# Altium PCB iTOP4412_main_Clasics_v3_2.PcbDoc (part 4 of 7) (continued)
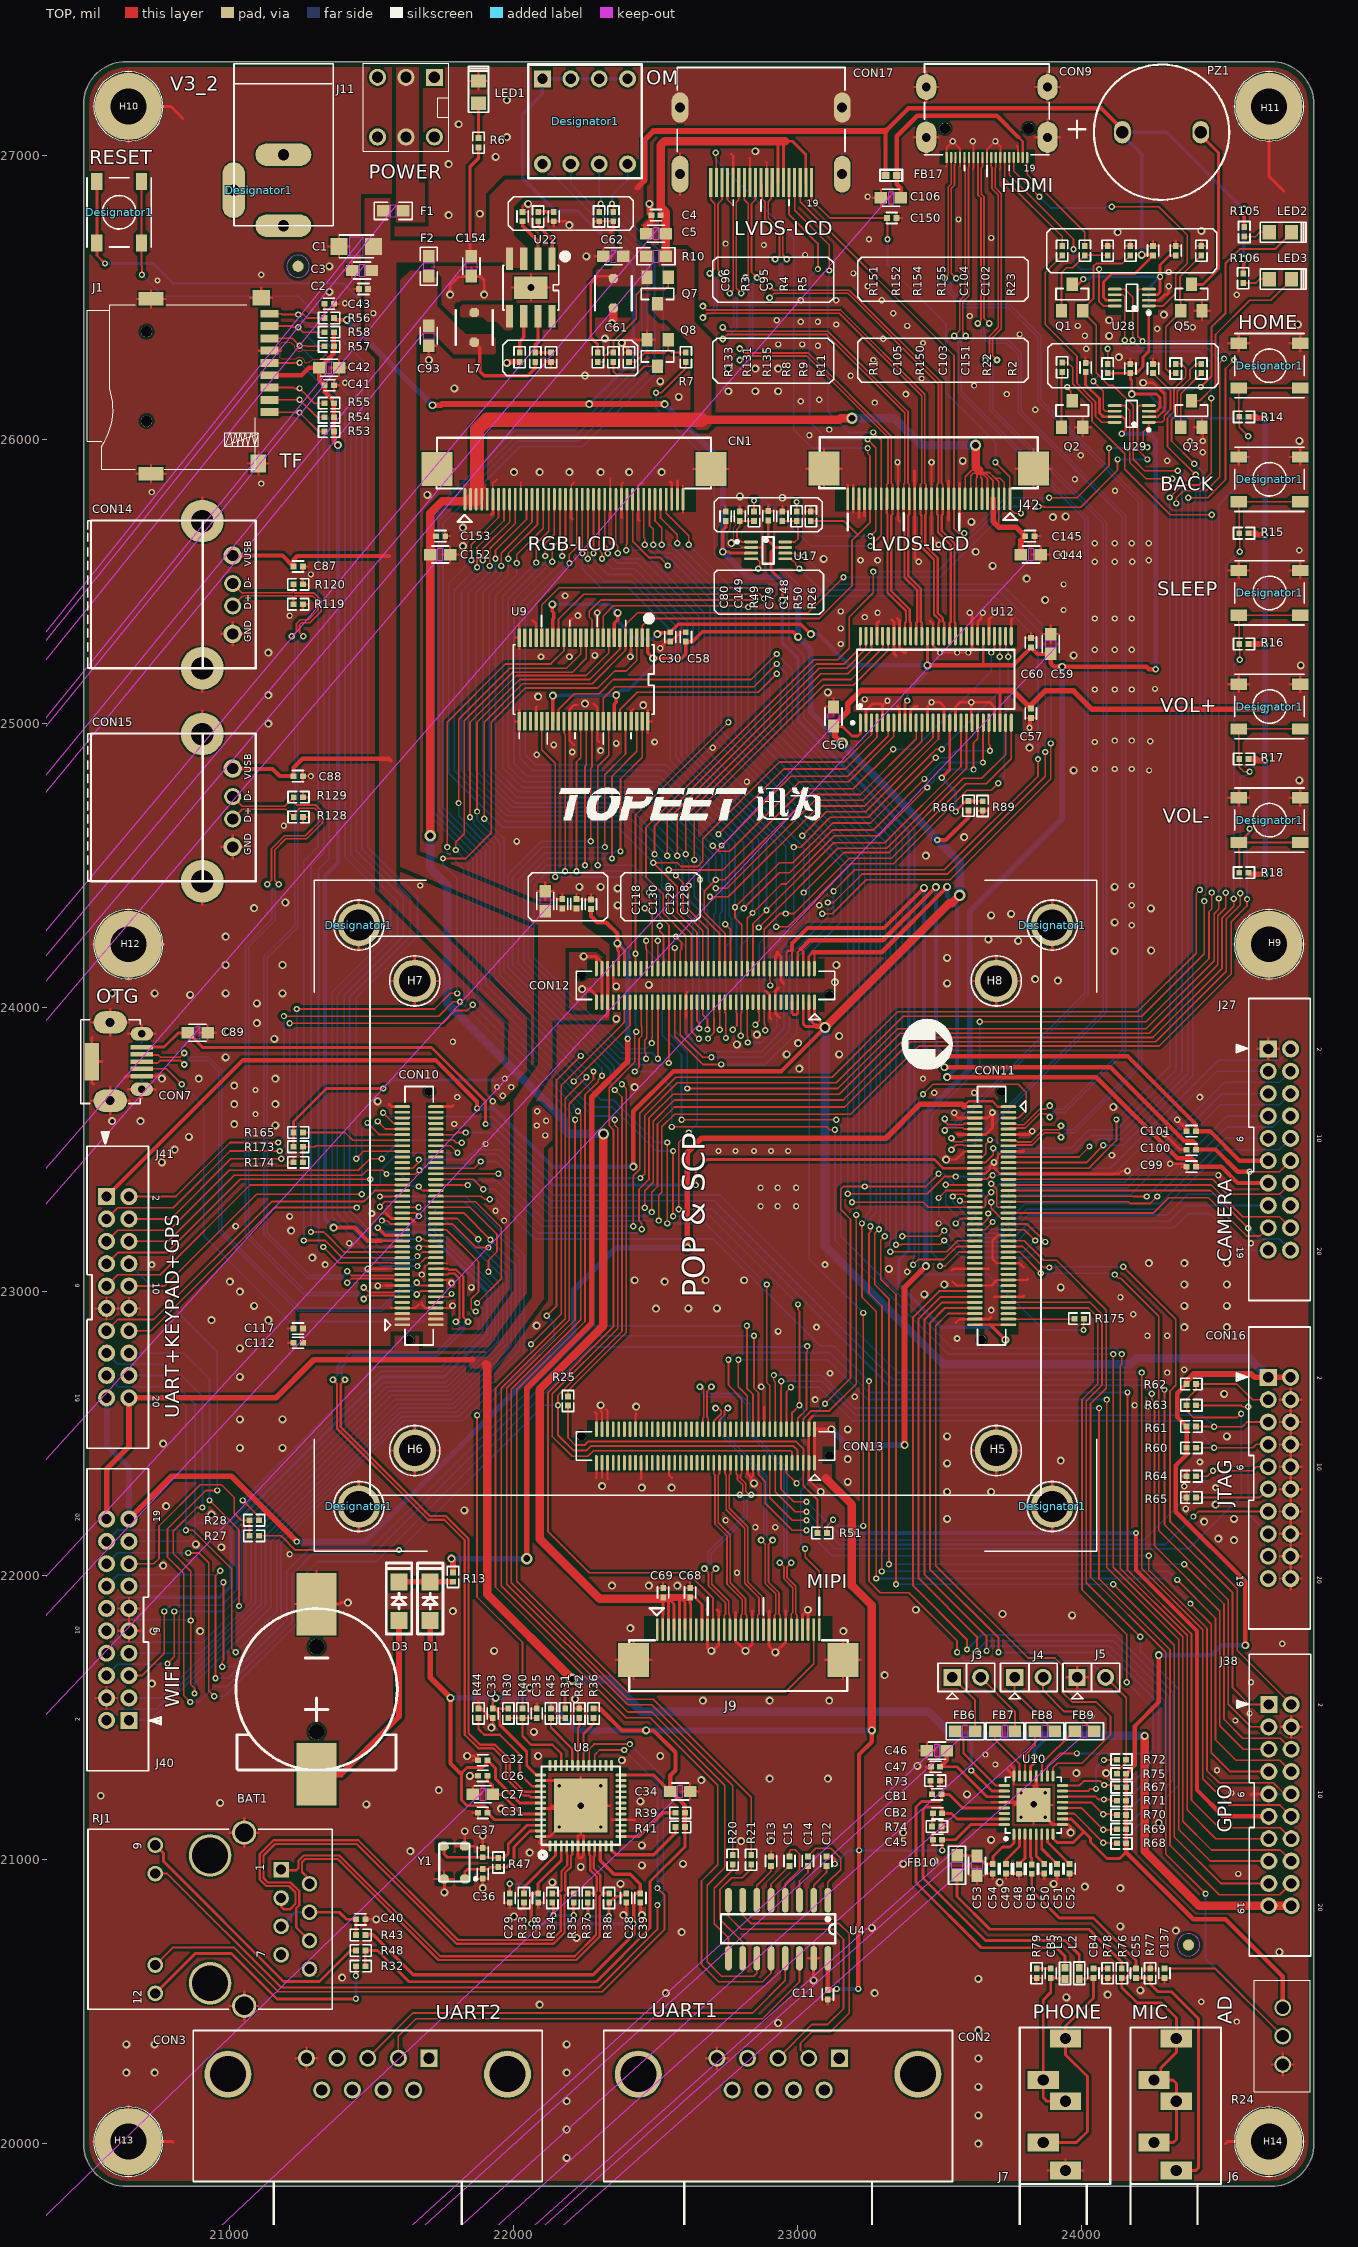
[diagram p0: TOP view]
## Nets (pads, with @x,y where several pads share a name; then routed paths per layer and width w, separated by ;. In a path a pad name is that pad's centre, name@x,y a point inside that pad or via, vN(x,y) a via of type N, cw(c..) or ccw(c..) an arc to the next point about the centre after c; other vN are vias at no path point) (continued)
GPX0_0: CN1.36 CON13.6 | length 3682.4
  TOP w6: CN1.36@22519.01,25790.33 22519.01,25724.41 22577.85,25665.57 v1(22577.85,25635.57) ; CON13.6@23021.32,22515.93 23021.32,22552.43 23027.99,22559.1 23049.47,22580.57 23112.85,22580.57 23207.85,22675.57 v1(23207.85,23270.57)
  BOTTOM w6: v1(22577.85,25635.57) 22782.85,25430.57 22782.85,24960.57 23217.85,24525.57 23217.85,23299.57 23207.85,23289.57 v1(23207.85,23270.57)
GYRO_INT: CON10.55 R16.2 | length 4991.7
  TOP w6: CON10.55@21609.9,23415.54 21612.01,23413.43 21655.71,23413.43 v1(21669.85,23427.57) ; v1(22462.85,23295.57) 22462.85,23355.31 22492.85,23385.31 22492.85,23600.57 22567.85,23675.57 23162.85,23675.57 23382.85,23895.57 24252.85,23895.57 24495.85,24138.57 24495.85,24316.57 24536.85,24357.57 v1(24536.85,24383.57) ; v1(24557.85,25225.57) 24557.85,25260.07 24556.35,25261.57 R16.2@24556.35,25280.57 24556.35,25351.38 24554.59,25353.15 24554.59,25381.83 24771.12,25381.83
  BOTTOM w6: v1(21669.85,23427.57) 21683.29,23441.01 21840,23441.01 21883.57,23484.57 21943.85,23484.57 22132.85,23295.57 v1(22462.85,23295.57) ; v1(24536.85,24383.57) 24536.85,25204.57 v1(24557.85,25225.57)
HDMI_HPD: CON11.21 Q1.2 R155.1 | length 4033.6
  TOP w6: CON11.21@23743.76,23454.91 24017.19,23454.91 v1(24077.85,23515.57) ; R155.1@24172.85,26649.07 24172.85,26648.57 24144.85,26620.57 24052.85,26620.57 24042.85,26610.57 24042.85,26495.76 24005.35,26458.26 Q1.2@24005.35,26454.32 24005.35,26450.38 24052.85,26402.88 24052.85,26235.57 24097.85,26190.57 24112.85,26190.57 24182.85,26120.57 24182.85,25930.57 24222.85,25890.57 v1(24339.85,25890.57)
  BOTTOM w6: v1(24077.85,23515.57) 24147.85,23515.57 24392.85,23760.57 24392.85,25775.57 24402.85,25785.57 24402.85,25827.57 v1(24339.85,25890.57)
HDMI_IIC_EN: CON11.23 U28.6 | length 3872.3
  TOP w6: CON11.23@23743.76,23435.21 24026.5,23435.21 24123.85,23532.57 v1(24123.85,23606.57) ; U28.6@24118.01,26510.41 24146.85,26510.41 24152.85,26504.41 v1(24152.85,26350.57) ; v1(24311.85,25796.57) 24355.85,25840.57 24415.85,25840.57 24457.85,25882.57 v1(24457.85,26145.57)
  BOTTOM w6: v1(24123.85,23606.57) 24311.85,23794.57 v1(24311.85,25796.57) ; v1(24152.85,26350.57) 24152.85,26331.57 24173.85,26310.57 24417.85,26310.57 24457.85,26270.57 v1(24457.85,26145.57)
HDMI_SCL: CON9.15 U28.8 | length 738.5
  TOP w6: CON9.15@23746.59,26993.78 23746.59,26931.83 23972.85,26705.57 v1(23972.85,26670.57) ; v1(24062.85,26600.57) 24062.85,26485.57 24077.38,26471.04 U28.8@24118.01,26471.04
  BOTTOM w6: v1(23972.85,26670.57) 23972.85,26625.57 23997.85,26600.57 v1(24062.85,26600.57)
HDMI_SDA: CON9.16 U28.1 | length 1090.5
  TOP w6: CON9.16@23762.34,26993.78 23762.34,26946.08 v1(23852.85,26855.57) ; v1(24107.85,26820.57) 24272.85,26820.57 24372.85,26720.57 24372.85,26620.57 24332.85,26580.57 24332.85,26515.57 24288.32,26471.04 U28.1@24238.09,26471.04
  BOTTOM w6: v1(23852.85,26855.57) 23892.85,26815.57 24083.85,26815.57 24088.85,26820.57 v1(24107.85,26820.57)
HOOK_DET: CON10.50 J41.6 | length 1215.3
  TOP w6: J41.6@20647.22,23177.74 20785.02,23177.74 21017.85,23410.57 21467.85,23410.57 21485.29,23428.01 21540.42,23428.01 v1(21553.85,23414.57) ; v1(21667.85,23370.57) 21667.85,23368.57 21679.95,23356.47 CON10.50@21728.01,23356.47
  BOTTOM w6: v1(21553.85,23414.57) 21602.85,23414.57 21646.85,23370.57 v1(21667.85,23370.57)
HUB_CONNECT: CON11.77 R175.2 | length 233.4
  TOP w6: CON11.77@23743.76,22903.72 23955.01,22903.72 23956.85,22905.57 R175.2@23976.35,22905.57
HUB_INT_N: CON11.75
HUB_RESET: CON11.58
I2C_SCL0: CON11.20 U28.5 | length 4074.3
  TOP w6: CON11.20@23625.65,23474.58 23652.15,23474.58 23664.15,23486.58 23664.15,23519.86 v1(23678.85,23534.57) ; U28.5@24118.01,26530.1 24153.32,26530.1 24180.85,26502.57 v1(24180.85,26350.57) ; v1(24334.85,25775.57) 24334.85,25794.57 24360.85,25820.57 24439.85,25820.57 24487.85,25868.57 24487.85,26270.57 v1(24502.85,26285.57)
  BOTTOM w6: v1(23678.85,23534.57) 23697.85,23534.57 23726.85,23505.57 23962.85,23505.57 24027.85,23570.57 24122.85,23570.57 24334.85,23782.57 v1(24334.85,25775.57) ; v1(24180.85,26350.57) 24205.85,26325.57 24439.85,26325.57 24479.85,26285.57 v1(24502.85,26285.57)
I2C_SCL1: CON10.75
I2C_SCL5: CON10.74
I2C_SCL6: CON11.43 U9.40 | length 3695.7
  TOP w6: U9.40@22316.76,25007.93 22316.76,25089.47 22357.85,25130.57 22847.85,25130.57 v1(22927.85,25210.57) ; v1(23347.85,23165.57) 23366.85,23165.57 23368.42,23167.13 23504.42,23167.13 v1(23517.85,23180.57) ; CON11.43@23743.76,23238.36 23810.06,23238.36 v1(23872.85,23175.57)
  BOTTOM w6: v1(22927.85,25210.57) 22962.85,25175.57 22962.85,24995.57 23347.85,24610.57 v1(23347.85,23165.57) ; v1(23517.85,23180.57) 23577.85,23120.57 23817.85,23120.57 v1(23872.85,23175.57)
I2C_SCL7: CN1.34 CON11.38 J27.4 | length 4561.9
  TOP w6: CN1.34@22479.65,25790.33 22479.65,25698.78 22492.85,25685.57 v1(22492.85,25630.57) ; v1(23192.85,23315.57) 23442.85,23315.57 23461.32,23297.1 23569.45,23297.1 23569.77,23297.42 CON11.38@23625.65,23297.42 23657.85,23297.42 23662.85,23302.42 23662.85,23330.57 v1(23682.85,23350.57)
  BOTTOM w6: v1(22492.85,25630.57) 22522.85,25600.57 22557.85,25600.57 22732.85,25425.57 22732.85,24975.57 23197.85,24510.57 23197.85,23325.57 23192.85,23320.57 v1(23192.85,23315.57) ; v1(23682.85,23350.57) 23717.85,23385.57 24152.85,23385.57 24504.76,23737.48 24698.22,23737.48 J27.4@24737.22,23776.48
I2C_SDA0: CON11.19 U28.4 | length 3947.8
  TOP w6: CON11.19@23743.76,23474.58 23991.87,23474.58 v1(24028.85,23511.57) ; v1(24215.8,26347.29) 24199.42,26363.68 24199.42,26525.04 24204.48,26530.1 U28.4@24238.09,26530.1 ; v1(24376.85,25795.57) 24444.85,25795.57 24507.85,25858.57 24507.85,26250.57 v1(24537.85,26280.57)
  BOTTOM w6: v1(24028.85,23511.57) 24055.35,23538.07 24145.35,23538.07 24376.85,23769.57 v1(24376.85,25795.57) ; v1(24215.8,26347.29) 24471.13,26347.29 v1(24537.85,26280.57)
I2C_SDA1: CON10.76
I2C_SDA5: CON10.72
I2C_SDA6: CON11.45 U9.32 | length 3758.2
  TOP w6: U9.32@22159.28,25007.93 22159.28,25049.43 22215.42,25105.57 22302.85,25105.57 22352.85,25155.57 22837.85,25155.57 v1(22927.85,25245.57) ; v1(23369.85,23195.57) 23497.85,23195.57 v1(23517.85,23215.57) ; CON11.45@23743.76,23218.69 23799.74,23218.69 v1(23837.85,23180.57)
  BOTTOM w6: v1(22927.85,25245.57) 22982.85,25190.57 22982.85,25000.57 23369.85,24613.57 v1(23369.85,23195.57) ; v1(23517.85,23215.57) 23592.85,23140.57 23797.85,23140.57 v1(23837.85,23180.57)
I2C_SDA7: CN1.33 CON11.37 J27.2 | length 4722.9
  TOP w6: CN1.33@22459.96,25790.33 22459.96,25655.57 22462.85,25652.68 v1(22462.85,25630.57) ; v1(23177.85,23345.57) 23457.85,23345.57 23517.85,23405.57 v1(23557.85,23405.57) ; v1(23682.85,23380.57) 23702.85,23360.57 23702.85,23301.83 23707.26,23297.42 CON11.37@23743.76,23297.42
  BOTTOM w6: v1(22462.85,25630.57) 22507.85,25585.57 22547.85,25585.57 22712.85,25420.57 22712.85,24965.57 23177.85,24500.57 v1(23177.85,23345.57) ; v1(23557.85,23405.57) 23647.85,23405.57 ; v1(23682.85,23380.57) 23657.85,23405.57 23647.85,23405.57 ; J27.2@24737.22,23855.22 24697.48,23815.48 24482.76,23815.48 24101.85,23434.57 23656.85,23434.57 23647.85,23425.57 23647.85,23405.57
ISP_SCL: CON11.3
ISP_SDA: CON11.4
J_NRESET: CON16.15 R63.1 | length 662.7
  TOP w6: R63.1@24404.35,22600.57 24424.85,22600.57 24425.85,22599.57 24564.85,22599.57 24568.85,22595.57 v1(24587.85,22595.57)
  BOTTOM w6: v1(24587.85,22595.57) 24587.85,22218.35 CON16.15@24658.48,22147.72
KP_COL0: CON11.54 R1.2 | length 4404.2
  TOP w6: v1(23502.85,23090.57) 23520.08,23090.57 23569.46,23139.94 CON11.54@23625.65,23139.94 ; v1(23642.85,23950.57) 24227.85,23950.57 24449.85,24172.57 24449.85,24337.57 24459.85,24347.57 v1(24459.85,24405.57) ; R1.2@23932.85,26272.07 23951.85,26272.07 23969.85,26254.07 23969.85,26196.6 24037.85,26128.6 24037.85,26065.57 24152.85,25950.57 24152.85,25895.57 24312.85,25735.57 v1(24459.85,25735.57)
  BOTTOM w6: v1(23502.85,23090.57) 23502.85,23109.57 23472.85,23139.57 23472.85,23620.57 23642.85,23790.57 v1(23642.85,23950.57) ; v1(24459.85,24405.57) v1(24459.85,25735.57)
KP_ROW0: CON10.56 R18.2 | length 4342.2
  TOP w6: CON10.56@21728.01,23415.54 21928.82,23415.54 ; 21928.85,23415.57 v1(21947.85,23415.57) ; v1(22512.85,23250.57) 22512.85,23340.57 22522.85,23350.57 22522.85,23580.57 22567.85,23625.57 23187.85,23625.57 23427.85,23865.57 24274.83,23865.57 24527.85,24118.6 24527.85,24302.57 24583.85,24358.57 v1(24583.85,24382.57) ; R18.2@24556.35,24475.57 24556.35,24551.38 24554.59,24553.15 24554.59,24581.83 ; v1(24592.85,24630.57) 24592.85,24620.1 24554.59,24581.83 ; 24771.12,24581.83 24554.59,24581.83
  BOTTOM w6: v1(21947.85,23415.57) 22112.85,23250.57 v1(22512.85,23250.57) ; v1(24583.85,24382.57) 24583.85,24602.57 24592.85,24611.57 v1(24592.85,24630.57)
KP_ROW1: CON10.58 R17.2 | length 4535.7
  TOP w6: CON10.58@21728.01,23435.21 21862.5,23435.21 v1(21885.85,23458.57) ; v1(22487.85,23280.57) 22487.85,23350.57 22507.85,23370.57 22507.85,23590.57 22567.85,23650.57 23167.85,23650.57 23397.85,23880.57 24262.85,23880.57 24510.85,24128.57 24510.85,24312.57 24559.85,24361.57 v1(24559.85,24403.57) ; v1(24592.85,24830.57) 24572.85,24830.57 24556.35,24847.07 R17.2@24556.35,24875.57 24556.35,24894.57 24554.59,24896.34 24554.59,24981.83 24771.12,24981.83
  BOTTOM w6: v1(21885.85,23458.57) 21939.85,23458.57 22131.29,23267.13 22474.42,23267.13 v1(22487.85,23280.57) ; v1(24559.85,24403.57) 24559.85,24807.57 24569.42,24817.13 24579.42,24817.13 v1(24592.85,24830.57)
LCD_DEN: CN1.25 CON12.21 U12.30 | length 3798.2
  TOP w6: CN1.25@22302.48,25790.33 22302.48,25610.94 22312.85,25600.57 v1(22312.85,25580.57) ; v1(22852.85,23940.57) 22866.29,23954.01 22866.29,23980.91 22863.84,23983.36 CON12.21@22863.84,24019.86 ; v1(22925.85,24285.57) 22967.85,24285.57 23188.85,24506.57 23338.85,24506.57 23597.85,24765.57 23682.85,24765.57 v1(23707.85,24790.57) ; U12.30@23733.92,25308.44 23733.92,25263.51 23742.85,25254.57 v1(23742.85,25235.57)
  BOTTOM w6: v1(22312.85,25580.57) 22347.85,25545.57 22427.85,25545.57 22612.85,25360.57 22612.85,24890.57 22925.85,24577.57 v1(22925.85,24285.57) 22866.29,24226.01 22866.29,23954.01 v1(22852.85,23940.57) ; v1(23707.85,24790.57) 23729.42,24812.13 23729.42,25037.13 23742.85,25050.57 v1(23742.85,25235.57)
LCD_HSYNC: CN1.30 CON12.18 U12.27 | length 3137.2
  TOP w6: v1(22397.85,25610.57) 22397.85,25629.57 22400.9,25632.62 CN1.30@22400.9,25790.33 ; CON12.18@22903.21,24137.98 22903.21,24099.21 22904.85,24097.57 v1(22904.85,24078.57) ; v1(23022.85,24405.57) 23163.85,24546.57 23323.85,24546.57 23584.85,24807.57 23649.85,24807.57 23733.92,24891.63 U12.27@23733.92,25003.33
  BOTTOM w6: v1(22397.85,25610.57) 22452.85,25610.57 22672.85,25390.57 22672.85,24915.57 23022.85,24565.57 v1(23022.85,24405.57) 23022.85,24315.57 22904.85,24197.57 v1(22904.85,24078.57)
LCD_PWDN: CON12.46 U12.32 | length 1936.8
  TOP w6: v1(22546.21,24428.93) 22546.21,24342.21 22627.62,24260.8 CON12.46@22627.62,24137.98 ; v1(22547.85,24485.57) 22620.88,24485.57 22621.32,24485.13 22737.42,24485.13 23022.85,24770.57 23197.85,24770.57 v1(23337.85,24910.57) ; v1(23682.85,25250.57) 23694.55,25262.26 U12.32@23694.55,25308.44
  BOTTOM w6: v1(22546.21,24428.93) 22546.21,24464.93 22547.85,24466.57 v1(22547.85,24485.57) ; v1(23337.85,24910.57) 23410.85,24910.57 23682.85,25182.57 v1(23682.85,25250.57)
LCD_SCL: CON17.15 J42.25 R50.2 | length 1857.6
  TOP w6: R50.2@22997.85,25747.07 v1(22997.85,25780.57) ; v1(23247.85,26000.57) 23276.27,25972.15 J42.25@23276.27,25791.89 23276.27,25678.99 v1(23257.85,25660.57)
  TOP w7: CON17.15@22971.28,26904.84 22971.28,26792.15 23072.85,26690.57 v1(23072.85,26600.57)
  BOTTOM w6: v1(22997.85,25780.57) 22997.85,25730.57 23067.85,25660.57 v1(23257.85,25660.57)
  BOTTOM w7: v1(23072.85,26600.57) 23042.85,26570.57 23042.85,26065.57 23107.85,26000.57 v1(23247.85,26000.57)
LCD_SDA: CON17.16 J42.24 R49.2 | length 1990.1
  TOP w6: R49.2@22847.85,25747.07 v1(22847.85,25785.57) ; CON17.16@22990.96,26904.84 22990.96,26807.46 23112.85,26685.57 v1(23112.85,26595.57) ; v1(23257.85,25625.57) 23295.96,25663.67 J42.24@23295.96,25791.89 23295.96,25997.47 v1(23267.85,26025.57)
  BOTTOM w6: v1(22847.85,25785.57) 22887.85,25785.57 23047.85,25625.57 v1(23257.85,25625.57) ; v1(23112.85,26595.57) 23112.85,26576.07 23107.85,26571.07 23107.85,26100.57 23182.85,26025.57 v1(23267.85,26025.57)
LCD_TP1_INT: C151.1 CON17.17 J42.11 U29.1 | length 2650.7
  TOP w6: CON17.17@23010.65,26904.84 23010.65,26837.78 23551.86,26296.56 J42.11@23551.86,25791.89 23551.86,25686.56 23567.85,25670.57 v1(23587.85,25670.57) ; v1(23886.85,25795.57) 23984.85,25795.57 24097.85,25908.57 v1(24097.85,25970.57) ; v1(24232.85,25973.57) 24217.85,25988.57 24217.85,26027.08 24237.89,26047.11 U29.1@24237.89,26061.03 24283.32,26061.03 24291.85,26069.57 24291.85,26084.57 24314.35,26107.07 24314.35,26172.07 24252.85,26233.57 C151.1@24252.85,26234.07
  BOTTOM w6: v1(23587.85,25670.57) 23606.85,25670.57 23731.85,25795.57 v1(23886.85,25795.57) ; v1(24097.85,25970.57) 24210.85,25970.57 24213.85,25973.57 v1(24232.85,25973.57)
LCD_VD0: CON12.23
LCD_VD1: CON12.22
LCD_VD2: CON12.25 U12.15 | length 1677.7
  TOP w6: CON12.25@22824.47,24019.86 22824.47,23897.95 22825.85,23896.57 v1(22825.85,23877.57) ; v1(23017.85,24605.57) 23102.85,24690.57 23241.85,24690.57 23497.7,24946.41 U12.15@23497.7,25003.33
  BOTTOM w6: v1(22825.85,23877.57) 22874.85,23877.57 22927.85,23930.57 22927.85,24193.54 23042.85,24308.54 23042.85,24580.57 v1(23017.85,24605.57)
LCD_VD3: CN1.24 CON12.24 U12.19 | length 3022.4
  TOP w6: CN1.24@22282.79,25790.33 22282.79,25619.63 22282.85,25619.57 v1(22282.85,25600.57) ; CON12.24@22844.15,24137.98 22844.15,24295.87 v1(22891.85,24343.57) 23128.85,24580.57 23307.85,24580.57 23576.44,24849.15 U12.19@23576.44,25003.33
  BOTTOM w6: v1(22282.85,25600.57) 22282.85,25575.57 22332.85,25525.57 22417.85,25525.57 22592.85,25350.57 22592.85,24885.57 22891.85,24586.57 v1(22891.85,24343.57)
LCD_VD4: CN1.23 CON12.27 U12.20 | length 3464.2
  TOP w6: v1(22262.85,25580.57) 22262.85,25619.06 22263.11,25619.31 CN1.23@22263.11,25790.33 ; v1(22800.85,23901.57) 22800.85,23979.43 22804.78,23983.36 CON12.27@22804.78,24019.86 ; v1(22864.15,24282.57) 23143.15,24561.57 23314.85,24561.57 23596.12,24842.84 U12.20@23596.12,25003.33
  BOTTOM w6: v1(22262.85,25580.57) 22262.85,25560.57 22322.85,25500.57 22417.85,25500.57 22572.85,25345.57 22572.85,24881.87 22864.15,24590.57 v1(22864.15,24282.57) 22801.85,24220.28 22801.85,23921.57 22800.85,23920.57 v1(22800.85,23901.57)
LCD_VD5: CN1.22 CON12.26 U12.22 | length 3134.1
  TOP w6: v1(22242.85,25600.57) 22242.85,25619.57 22243.42,25620.14 CN1.22@22243.42,25790.33 ; CON12.26@22824.47,24137.98 22824.47,24315.13 v1(22842.88,24333.54) 22944.91,24435.57 22960.85,24435.57 23130.85,24605.57 23287.85,24605.57 v1(23457.85,24775.57) ; v1(23620.85,24838.57) 23620.85,24932.57 23635.49,24947.21 U12.22@23635.49,25003.33
  BOTTOM w6: v1(22242.85,25600.57) 22242.85,25545.57 22307.85,25480.57 22402.85,25480.57 22552.85,25330.57 22552.85,24870.57 22842.88,24580.54 v1(22842.88,24333.54) ; v1(23457.85,24775.57) 23482.85,24800.57 23482.85,24820.57 23500.85,24838.57 v1(23620.85,24838.57)
LCD_VD6: CN1.21 CON12.29 U12.23 | length 3846.2
  TOP w6: v1(22197.85,25565.57) 22197.85,25595.57 22223.74,25621.46 CN1.21@22223.74,25790.33 ; v1(22772.85,23922.57) 22787.85,23937.57 22787.85,23980.61 22785.1,23983.36 CON12.29@22785.1,24019.86 ; v1(22812,24350.71) 22936.85,24475.57 22972.85,24475.57 23122.85,24625.57 23267.85,24625.57 v1(23447.85,24805.57) ; v1(23653.85,24863.57) 23653.85,24960.52 23655.18,24961.85 U12.23@23655.18,25003.33
  BOTTOM w6: v1(22197.85,25565.57) 22042.85,25410.57 22042.85,24890.57 22077.85,24855.57 22537.85,24855.57 22812,24581.43 v1(22812,24350.71) 22786.29,24325.01 22786.29,23936.01 v1(22772.85,23922.57) ; v1(23447.85,24805.57) 23505.85,24863.57 v1(23653.85,24863.57)
LCD_VD7: CN1.19 CON12.28 U12.24 | length 3539.2
  TOP w6: v1(22172.85,25590.57) 22172.85,25615.57 22184.37,25627.09 CN1.19@22184.37,25790.33 ; CON12.28@22804.78,24137.98 22804.78,24292.65 22780.85,24316.57 v1(22780.85,24353.57) 22937.85,24510.57 22984.85,24510.57 23124.85,24650.57 23257.85,24650.57 v1(23487.85,24880.57) ; U12.24@23674.86,25003.33 23674.86,24927.56 23678.85,24923.57 v1(23678.85,24904.57)
  BOTTOM w6: v1(22172.85,25590.57) 22172.85,25570.57 22022.85,25420.57 22022.85,24880.57 22067.85,24835.57 22527.85,24835.57 22780.85,24582.57 v1(22780.85,24353.57) ; v1(23487.85,24880.57) 23532.85,24880.57 23556.85,24904.57 v1(23678.85,24904.57)
LCD_VD8: CON12.31
LCD_VD9: CON12.30
LCD_VD10: CN1.18 CON12.33 U12.4 | length 3442.8
  TOP w6: v1(22137.85,25570.57) 22137.85,25619.57 22164.68,25646.4 CN1.18@22164.68,25790.33 ; v1(22722.85,24610.57) 22952.85,24840.57 23168.85,24840.57 23281.16,24952.88 U12.4@23281.16,25003.33 ; CON12.33@22745.73,24019.86 22745.73,23983.36 22748.85,23980.24 v1(22748.85,23893.57)
  BOTTOM w6: v1(22137.85,25570.57) 22002.85,25435.57 22002.85,24860.57 22047.85,24815.57 22517.85,24815.57 v1(22722.85,24610.57) 22760.85,24572.57 22760.85,24322.86 22768.85,24314.86 22768.85,24235.57 22748.85,24215.57 v1(22748.85,23893.57)
LCD_VD11: CN1.17 CON12.32 U12.6 | length 3112.4
  TOP w6: v1(22112.85,25590.57) 22112.85,25634.57 22145,25666.72 CN1.17@22145,25790.33 ; v1(22733.71,24571.43) 22977.85,24815.57 23177.85,24815.57 23320.53,24958.25 U12.6@23320.53,25003.33 ; v1(22746.85,24293.57) 22765.41,24275.02 CON12.32@22765.41,24137.98
  BOTTOM w6: v1(22112.85,25590.57) 22112.85,25570.57 21982.85,25440.57 21982.85,24850.57 22037.85,24795.57 22509.57,24795.57 v1(22733.71,24571.43) 22747.15,24557.99 22747.15,24551.86 22746.85,24551.57 v1(22746.85,24293.57)
LCD_VD12: CN1.16 CON12.35 U12.7 | length 3489.7
  TOP w6: v1(22081.21,25567.21) 22081.21,25633.93 22125.31,25678.03 CN1.16@22125.31,25790.33 ; v1(22702.85,24570.57) 22722.85,24550.57 22762.85,24550.57 23007.85,24795.57 23180.85,24795.57 23340.22,24954.93 U12.7@23340.22,25003.33 ; CON12.35@22726.04,24019.86 22726.04,23983.36 22726.85,23982.54 v1(22726.85,23922.57)
  BOTTOM w6: v1(22081.21,25567.21) 21962.85,25448.86 21962.85,24845.57 22032.85,24775.57 22497.85,24775.57 v1(22702.85,24570.57) 22734.85,24538.57 22734.85,24337.57 22726.85,24329.57 v1(22726.85,23922.57)
LCD_VD13: CN1.15 CON12.34 U12.11 | length 3330.3
  TOP w6: v1(22012.85,25565.57) 22012.85,25595.57 22105.63,25688.35 CN1.15@22105.63,25790.33 ; CON12.34@22745.73,24137.98 22745.73,24262.69 22672.85,24335.57 22672.85,24410.57 v1(22712.85,24450.57) 22744.85,24450.57 23044.85,24750.57 23222.85,24750.57 23418.96,24946.67 U12.11@23418.96,25003.33
  BOTTOM w6: v1(22012.85,25565.57) 22012.85,25525.57 21937.85,25450.57 21937.85,24840.57 22017.85,24760.57 22482.85,24760.57 22712.85,24530.57 v1(22712.85,24450.57)
LCD_VD14: CN1.14 CON12.37 U12.12 | length 3723
  TOP w6: v1(21982.85,25580.57) 21982.85,25599.57 22085.94,25702.66 CN1.14@22085.94,25790.33 ; v1(22685.85,23891.57) 22706.85,23912.57 22706.85,23963.86 22706.36,23964.35 CON12.37@22706.36,24019.86 ; v1(22712.85,24420.57) 22752.85,24420.57 23062.85,24730.57 23231.85,24730.57 23438.64,24937.36 U12.12@23438.64,25003.33
  BOTTOM w6: v1(21982.85,25580.57) 21982.85,25525.57 21915.87,25458.59 21915.87,24837.55 22012.85,24740.57 22472.85,24740.57 22687.85,24525.57 22687.85,24445.57 v1(22712.85,24420.57) 22712.85,24335.57 22706.29,24329.01 22706.29,23912.01 v1(22685.85,23891.57)
LCD_VD15: CN1.13 CON12.36 U12.14 | length 3483.2
  TOP w6: v1(21957.85,25555.57) 21957.85,25600.57 22066.26,25708.97 CN1.13@22066.26,25790.33 ; v1(22657.85,24450.57) 22657.85,24330.57 22726.04,24262.39 CON12.36@22726.04,24137.98 ; v1(22692.85,24390.45) 22757.74,24390.45 23077.85,24710.57 23237.85,24710.57 23478.01,24950.73 U12.14@23478.01,25003.33
  BOTTOM w6: v1(21957.85,25555.57) 21957.85,25525.57 21892.85,25460.57 21892.85,24835.57 22007.85,24720.57 22467.85,24720.57 22657.85,24530.57 v1(22657.85,24450.57) 22657.85,24425.45 v1(22692.85,24390.45)
LCD_VD16: CON12.39
LCD_VD17: CON12.38
LCD_VD18: CON12.41 U12.51 | length 1851.5
  TOP w6: v1(22637.85,24520.57) 22637.85,24680.57 23092.85,25135.57 23197.85,25135.57 23320.53,25258.25 U12.51@23320.53,25308.44 ; CON12.41@22666.99,24019.86 22666.99,23975.43 22683.85,23958.57 v1(22683.85,23923.57)
  BOTTOM w6: v1(22637.85,24520.57) 22637.85,24390.57 22683.85,24344.57 v1(22683.85,23923.57)
LCD_VD19: CN1.12 CON12.40 U12.52 | length 3440.7
  TOP w6: v1(21937.85,25580.57) 21937.85,25610.57 22046.57,25719.29 CN1.12@22046.57,25790.33 ; v1(22607.85,24540.57) 22607.85,24675.57 23087.85,25155.57 23189.45,25155.57 23300.85,25266.96 U12.52@23300.85,25308.44 ; v1(22617.85,24430.57) 22617.85,24345.57 22686.67,24276.76 CON12.40@22686.67,24137.98
  BOTTOM w6: v1(21937.85,25580.57) 21937.85,25530.57 21867.85,25460.57 21867.85,24835.57 21997.85,24705.57 22442.85,24705.57 v1(22607.85,24540.57) 22607.85,24521.57 22617.85,24511.57 v1(22617.85,24430.57)
LCD_VD20: CN1.10 CON12.43 U12.54 | length 3730.8
  TOP w6: v1(21917.85,25555.57) 21917.85,25615.57 22007.2,25704.92 CN1.10@22007.2,25790.33 ; v1(22577.85,24535.57) 22577.85,24670.57 23082.85,25175.57 23177.85,25175.57 23261.48,25259.19 U12.54@23261.48,25308.44 ; CON12.43@22647.3,24019.86 22647.3,23954.19 22655.5,23945.98 v1(22655.5,23926.98)
  BOTTOM w6: v1(21917.85,25555.57) 21917.85,25535.57 21842.85,25460.57 21842.85,24835.57 21987.85,24690.57 22422.85,24690.57 v1(22577.85,24535.57) 22595.85,24517.57 22595.85,24402.57 22655.5,24342.92 v1(22655.5,23926.98)
LCD_VD21: CN1.9 CON12.42 U12.55 | length 3441.9
  TOP w6: v1(21892.85,25575.57) 21892.85,25615.57 21987.52,25710.24 CN1.9@21987.52,25790.33 ; v1(22542.85,24535.57) 22542.85,24660.57 23077.85,25195.57 23173.85,25195.57 23241.79,25263.51 U12.55@23241.79,25308.44 ; v1(22572.85,24465.57) 22597.85,24440.57 22597.85,24340.57 22666.99,24271.43 CON12.42@22666.99,24137.98
  BOTTOM w6: v1(21892.85,25575.57) 21892.85,25540.57 21817.85,25465.57 21817.85,24835.57 21977.85,24675.57 22402.85,24675.57 v1(22542.85,24535.57) 22572.85,24505.57 v1(22572.85,24465.57)
LCD_VD22: CN1.8 CON12.45 U12.56 | length 3834.4
  TOP w6: v1(21872.85,25550.57) 21872.85,25620.57 21967.83,25715.55 CN1.8@21967.83,25790.33 ; v1(22497.85,24540.57) 22497.85,24640.57 23067.85,25210.57 23165.71,25210.57 23222.11,25266.96 U12.56@23222.11,25308.44 ; CON12.45@22627.62,24019.86 22627.62,23916.8 v1(22653.85,23890.57)
  BOTTOM w6: v1(21872.85,25550.57) 21792.85,25470.57 21792.85,24835.57 21972.85,24655.57 22382.85,24655.57 v1(22497.85,24540.57) 22522.85,24515.57 22522.85,24424 22631.85,24315 22631.85,23912.57 v1(22653.85,23890.57)
LCD_VD23: CN1.7 CON12.44 U12.3 | length 3379.4
  TOP w6: v1(21852.85,25575.57) 21852.85,25630.57 21948.15,25725.87 CN1.7@21948.15,25790.33 ; CON12.44@22647.3,24137.98 22647.3,24266.13 22577.85,24335.57 22577.85,24425.57 v1(22492.85,24510.57) 22577.85,24510.57 22590.85,24497.57 22625.85,24497.57 22626.29,24497.13 22649.42,24497.13 22667.85,24515.57 22667.85,24595.57 22937.85,24865.57 23165.2,24865.57 23261.48,24961.85 U12.3@23261.48,25003.33
  BOTTOM w6: v1(21852.85,25575.57) 21772.85,25495.57 21772.85,24825.57 21962.85,24635.57 22367.85,24635.57 v1(22492.85,24510.57)
LCD_VOTCLK: CN1.28 CON12.19 U12.31 | length 3459.3
  TOP w6: CN1.28@22361.53,25790.33 22361.53,25631.89 22367.85,25625.57 v1(22367.85,25600.57) ; CON12.19@22883.52,24019.86 22883.52,23983.36 22883.85,23983.02 22883.85,23943.57 22887.85,23939.57 v1(22887.85,23920.57) ; v1(22987.85,24565.57) 23011.85,24565.57 23116.85,24670.57 23249.85,24670.57 23467.85,24888.57 23467.85,24888.86 23479.57,24900.57 23479.85,24900.57 23489.85,24910.57 v1(23508.85,24910.57) ; v1(23712.85,25235.57) 23712.85,25254.57 23714.23,25255.95 U12.31@23714.23,25308.44
  BOTTOM w6: v1(22367.85,25600.57) 22387.85,25580.57 22452.85,25580.57 22652.85,25380.57 22652.85,24900.57 v1(22987.85,24565.57) 22987.85,24308.57 22884.85,24205.57 22884.85,23942.57 22887.85,23939.57 v1(22887.85,23920.57) ; v1(23508.85,24910.57) 23712.85,25114.57 v1(23712.85,25235.57)
LCD_VSYNC: CN1.26 CON12.20 U12.28 | length 3147.8
  TOP w6: CN1.26@22322.17,25790.33 22322.17,25630.26 22332.85,25619.57 v1(22332.85,25600.57) ; CON12.20@22883.52,24137.98 22883.52,24276.24 22938.85,24331.57 v1(22959.85,24331.57) 22988.85,24331.57 23183.85,24526.57 23331.85,24526.57 23593.85,24788.57 23665.85,24788.57 23753.6,24876.32 U12.28@23753.6,25003.33
  BOTTOM w6: v1(22332.85,25600.57) 22367.85,25565.57 22437.85,25565.57 22632.85,25370.57 22632.85,24895.57 22959.85,24568.57 v1(22959.85,24331.57)
LINK&ACT: RJ1.11 U8.28 | length 2811.6
  TOP w6: U8.28@22287.07,21332.3 22287.07,21369.78 22303.85,21386.57 v1(22390.85,21386.57)
  TOP w7: RJ1.11@20739.87,20629.59 20800.84,20690.57 21017.85,20690.57 21172.85,20535.57 22312.85,20535.57 22532.85,20755.57 22532.85,20875.57 v1(22507.85,20900.57)
  BOTTOM w6: v1(22390.85,21386.57) 22507.85,21269.57 v1(22507.85,20900.57)
MD_RESETBB: CON11.56
MD_RSTN: CN1.35 CON12.66 J9.11 | length 4877.5
  TOP w6: CON12.66@22430.77,24137.98 v1(22430.77,24190.57) 22430.77,24678.49 v1(22757.85,25005.57) ; v1(22432.85,23915.57) 22427.85,23910.57 22427.85,23808.86 22337.85,23718.86 22337.85,23585.57 22352.85,23570.57 22352.85,22876.63 22122.85,22646.63 22122.85,22155.57 22267.85,22010.57 22613.85,22010.57 22703.85,21920.57 J9.11@22703.85,21810.57 ; CN1.35@22499.33,25790.33 22499.33,25714.1 22522.85,25690.57 v1(22522.85,25630.57)
  BOTTOM w6: v1(22430.77,24190.57) 22430.77,23936.65 22432.85,23934.57 v1(22432.85,23915.57) ; v1(22522.85,25630.57) 22552.85,25630.57 22757.85,25425.57 v1(22757.85,25005.57)
MD_USBDN: CON10.13 CON15.2 R129.2 | length 2667.9
  TOP w6: CON15.2@21012.35,24743.47 21046.1,24709.72 21195.5,24709.72 R129.2@21227.35,24741.57 21227.35,24725.07 21238.85,24713.57 21305.41,24713.57 21328.85,24690.13 21328.85,24651.01 21272.41,24594.57 21199.41,24594.57 21160.1,24555.26 21160.1,24449.32 v3(21174.85,24434.57) ; v3(21473.85,23015.07) 21491.12,22997.81 21580.09,22997.81 21584.43,23002.15 CON10.13@21609.9,23002.15
  BOTTOM w6: v3(21174.85,24434.57) 21161.85,24421.57 21161.85,24309.01 21068.85,24216.01 21068.85,23201.13 21272.41,22997.57 21456.35,22997.57 v3(21473.85,23015.07)
MD_USBDP: CON10.11 CON15.3 R128.2 | length 2660.2
  TOP w6: CON15.3@21012.35,24664.97 21046.1,24698.72 21200.2,24698.72 R128.2@21227.35,24671.57 21233.85,24678.07 21233.85,24687.57 21248.85,24702.57 21300.85,24702.57 21317.85,24685.57 21317.85,24655.57 21267.85,24605.57 21194.85,24605.57 21149.1,24559.82 21149.1,24449.32 v3(21134.35,24434.57) ; v3(21473.85,22974.57) 21486.09,22986.81 21580.11,22986.81 21584.45,22982.47 CON10.11@21609.9,22982.47
  BOTTOM w6: v3(21134.35,24434.57) 21150.85,24418.07 21150.85,24313.57 21057.85,24220.57 21057.85,23196.57 21267.85,22986.57 21461.85,22986.57 v3(21473.85,22974.57)

## Text inside footprints (layer, text, board x,y; h text height)
U10: PIN_NUMBER "12" at 23921.39,21190.87 h15.75 r180; PIN_NUMBER "14" at 23921.39,21230.24 h15.75 r180; PIN_NUMBER "11" at 23921.39,21171.18 h15.75 r180; PIN_NUMBER "16" at 23921.39,21269.61 h15.75 r180; PIN_NUMBER "24" at 23758.01,21295.2 h15.75 r90; PIN_NUMBER "9" at 23927.69,21131.81 h15.75 r180; PIN_NUMBER "33" at 23791.63,21142.83 h25 r90; PIN_NUMBER "28" at 23716.67,21210.55 h15.75 r180; PIN_NUMBER "20" at 23836.75,21295.2 h15.75 r90; PIN_NUMBER "18" at 23876.12,21295.2 h15.75 r90; PIN_NUMBER "17" at 23895.8,21295.2 h15.75 r90; PIN_NUMBER "13" at 23921.39,21210.55 h15.75 r180; PIN_NUMBER "23" at 23777.69,21295.2 h15.75 r90; PIN_NUMBER "26" at 23716.67,21249.92 h15.75 r180; PIN_NUMBER "21" at 23817.06,21295.2 h15.75 r90; PIN_NUMBER "31" at 23716.67,21151.5 h15.75 r180; PIN_NUMBER "22" at 23797.38,21295.2 h15.75 r90; PIN_NUMBER "29" at 23716.67,21190.87 h15.75 r180; PIN_NUMBER "25" at 23716.67,21269.61 h15.75 r180; PIN_NUMBER "19" at 23856.43,21295.2 h15.75 r90; PIN_NUMBER "8" at 23902.1,21090.47 h15.75 r90; PIN_NUMBER "10" at 23921.39,21151.5 h15.75 r180; PIN_NUMBER "30" at 23716.67,21171.18 h15.75 r180; PIN_NUMBER "7" at 23882.42,21090.47 h15.75 r90; PIN_NUMBER "6" at 23862.73,21090.47 h15.75 r90; PIN_NUMBER "5" at 23843.05,21090.47 h15.75 r90; PIN_NUMBER "2" at 23783.99,21090.47 h15.75 r90; PIN_NUMBER "3" at 23803.68,21090.47 h15.75 r90; PIN_NUMBER "1" at 23764.31,21090.47 h15.75 r90; PIN_NUMBER "27" at 23716.67,21230.24 h15.75 r180; PIN_NUMBER "4" at 23823.36,21090.47 h15.75 r90; PIN_NUMBER "15" at 23921.39,21249.92 h15.75 r180; PIN_NUMBER "32" at 23716.67,21131.81 h15.75 r180
U12: PIN_NUMBER "38" at 23563.84,25300.57 h15.75; PIN_NUMBER "37" at 23583.52,25300.57 h15.75; PIN_NUMBER "48" at 23366.99,25300.57 h15.75; PIN_NUMBER "17" at 23524.47,24995.45 h15.75; PIN_NUMBER "45" at 23426.04,25300.57 h15.75; PIN_NUMBER "41" at 23504.78,25300.57 h15.75; PIN_NUMBER "47" at 23386.67,25300.57 h15.75; PIN_NUMBER "40" at 23524.47,25300.57 h15.75; PIN_NUMBER "39" at 23544.15,25300.57 h15.75; PIN_NUMBER "46" at 23406.36,25300.57 h15.75; PIN_NUMBER "42" at 23485.1,25300.57 h15.75; PIN_NUMBER "24" at 23662.26,24995.45 h15.75; PIN_NUMBER "23" at 23642.58,24995.45 h15.75; PIN_NUMBER "22" at 23622.89,24995.45 h15.75; PIN_NUMBER "20" at 23583.52,24995.45 h15.75; PIN_NUMBER "19" at 23563.84,24995.45 h15.75; PIN_NUMBER "15" at 23485.1,24995.45 h15.75; PIN_NUMBER "52" at 23288.25,25300.57 h15.75; PIN_NUMBER "11" at 23406.36,24995.45 h15.75; PIN_NUMBER "14" at 23465.41,24995.45 h15.75; PIN_NUMBER "12" at 23426.04,24995.45 h15.75; PIN_NUMBER "51" at 23307.93,25300.57 h15.75; PIN_NUMBER "56" at 23209.51,25300.57 h15.75; PIN_NUMBER "4" at 23274.86,24995.45 h15.75; PIN_NUMBER "3" at 23255.18,24995.45 h15.75; PIN_NUMBER "54" at 23248.88,25300.57 h15.75; PIN_NUMBER "7" at 23333.92,24995.45 h15.75; PIN_NUMBER "6" at 23314.23,24995.45 h15.75; PIN_NUMBER "55" at 23229.19,25300.57 h15.75; PIN_NUMBER "8" at 23353.6,24995.45 h15.75; PIN_NUMBER "29" at 23741,25300.57 h15.75; PIN_NUMBER "50" at 23327.62,25300.57 h15.75; PIN_NUMBER "49" at 23347.3,25300.57 h15.75; PIN_NUMBER "53" at 23268.56,25300.57 h15.75; PIN_NUMBER "33" at 23662.26,25300.57 h15.75; PIN_NUMBER "35" at 23622.89,25300.57 h15.75; PIN_NUMBER "43" at 23465.41,25300.57 h15.75; PIN_NUMBER "36" at 23603.21,25300.57 h15.75; PIN_NUMBER "25" at 23681.95,24995.45 h15.75; PIN_NUMBER "21" at 23603.21,24995.45 h15.75; PIN_NUMBER "18" at 23544.15,24995.45 h15.75; PIN_NUMBER "13" at 23445.73,24995.45 h15.75; PIN_NUMBER "16" at 23504.78,24995.45 h15.75; PIN_NUMBER "2" at 23235.49,24995.45 h15.75; PIN_NUMBER "5" at 23294.55,24995.45 h15.75; PIN_NUMBER "10" at 23386.67,24995.45 h15.75; PIN_NUMBER "32" at 23681.95,25300.57 h15.75; PIN_NUMBER "27" at 23721.32,24995.45 h15.75; PIN_NUMBER "28" at 23741,24995.45 h15.75; PIN_NUMBER "30" at 23721.32,25300.57 h15.75; PIN_NUMBER "31" at 23701.63,25300.57 h15.75; PIN_NUMBER "26" at 23701.63,24995.45 h15.75; PIN_NUMBER "1" at 23215.81,24995.45 h15.75; PIN_NUMBER "44" at 23445.73,25300.57 h15.75; PIN_NUMBER "9" at 23373.29,24995.45 h15.75; PIN_NUMBER "34" at 23642.58,25300.57 h15.75
U17: PIN_NUMBER "6" at 22943.72,25600.73 h15.75 r270; PIN_NUMBER "4" at 22823.65,25581.04 h15.75 r270; PIN_NUMBER "2" at 22823.65,25620.41 h15.75 r270; PIN_NUMBER "7" at 22943.72,25620.41 h15.75 r270; PIN_NUMBER "5" at 22943.72,25581.04 h15.75 r270; PIN_NUMBER "3" at 22823.65,25600.73 h15.75 r270; PIN_NUMBER "8" at 22943.72,25640.1 h15.75 r270; PIN_NUMBER "1" at 22823.65,25640.1 h15.75 r270
U22: PIN_NUMBER "8" at 22127.35,26434.51 h25 r180; PIN_NUMBER "9" at 22052.27,26535.57 h25.2 r180; PIN_NUMBER "3" at 22027.35,26636.63 h25 r180; PIN_NUMBER "4" at 21977.35,26636.63 h25 r180; PIN_NUMBER "6" at 22027.35,26434.51 h25 r180; PIN_NUMBER "2" at 22077.35,26636.63 h25 r180; PIN_NUMBER "5" at 21977.35,26434.51 h25 r180; PIN_NUMBER "1" at 22127.35,26636.63 h25 r180; PIN_NUMBER "7" at 22077.35,26434.51 h25 r180
U28: PIN_NUMBER "4" at 24239.66,26530.1 h15.75 r90; PIN_NUMBER "5" at 24119.58,26530.1 h15.75 r90; PIN_NUMBER "2" at 24239.66,26490.73 h15.75 r90; PIN_NUMBER "6" at 24119.58,26510.42 h15.75 r90; PIN_NUMBER "1" at 24239.66,26471.05 h15.75 r90; PIN_NUMBER "8" at 24119.58,26471.05 h15.75 r90; PIN_NUMBER "7" at 24119.58,26490.73 h15.75 r90; PIN_NUMBER "3" at 24239.66,26510.42 h15.75 r90
U29: PIN_NUMBER "1" at 24239.47,26061.05 h15.75 r90; PIN_NUMBER "2" at 24239.47,26080.73 h15.75 r90; PIN_NUMBER "8" at 24119.4,26061.05 h15.75 r90; PIN_NUMBER "5" at 24119.4,26120.1 h15.75 r90; PIN_NUMBER "3" at 24239.47,26100.42 h15.75 r90; PIN_NUMBER "4" at 24239.47,26120.1 h15.75 r90; PIN_NUMBER "6" at 24119.4,26100.42 h15.75 r90; PIN_NUMBER "7" at 24119.4,26080.73 h15.75 r90
Y1: PIN_NUMBER "2" at 21823.09,21056.12 h15.75 r180; PIN_NUMBER "4" at 21750.02,20940.76 h15.75 r180; PIN_NUMBER "3" at 21750.02,21056.12 h15.75 r180; PIN_NUMBER "1" at 21823.09,20940.76 h15.75 r180